# Altium PCB m-BLANC.PcbDoc (part 11 of 15) (continued)
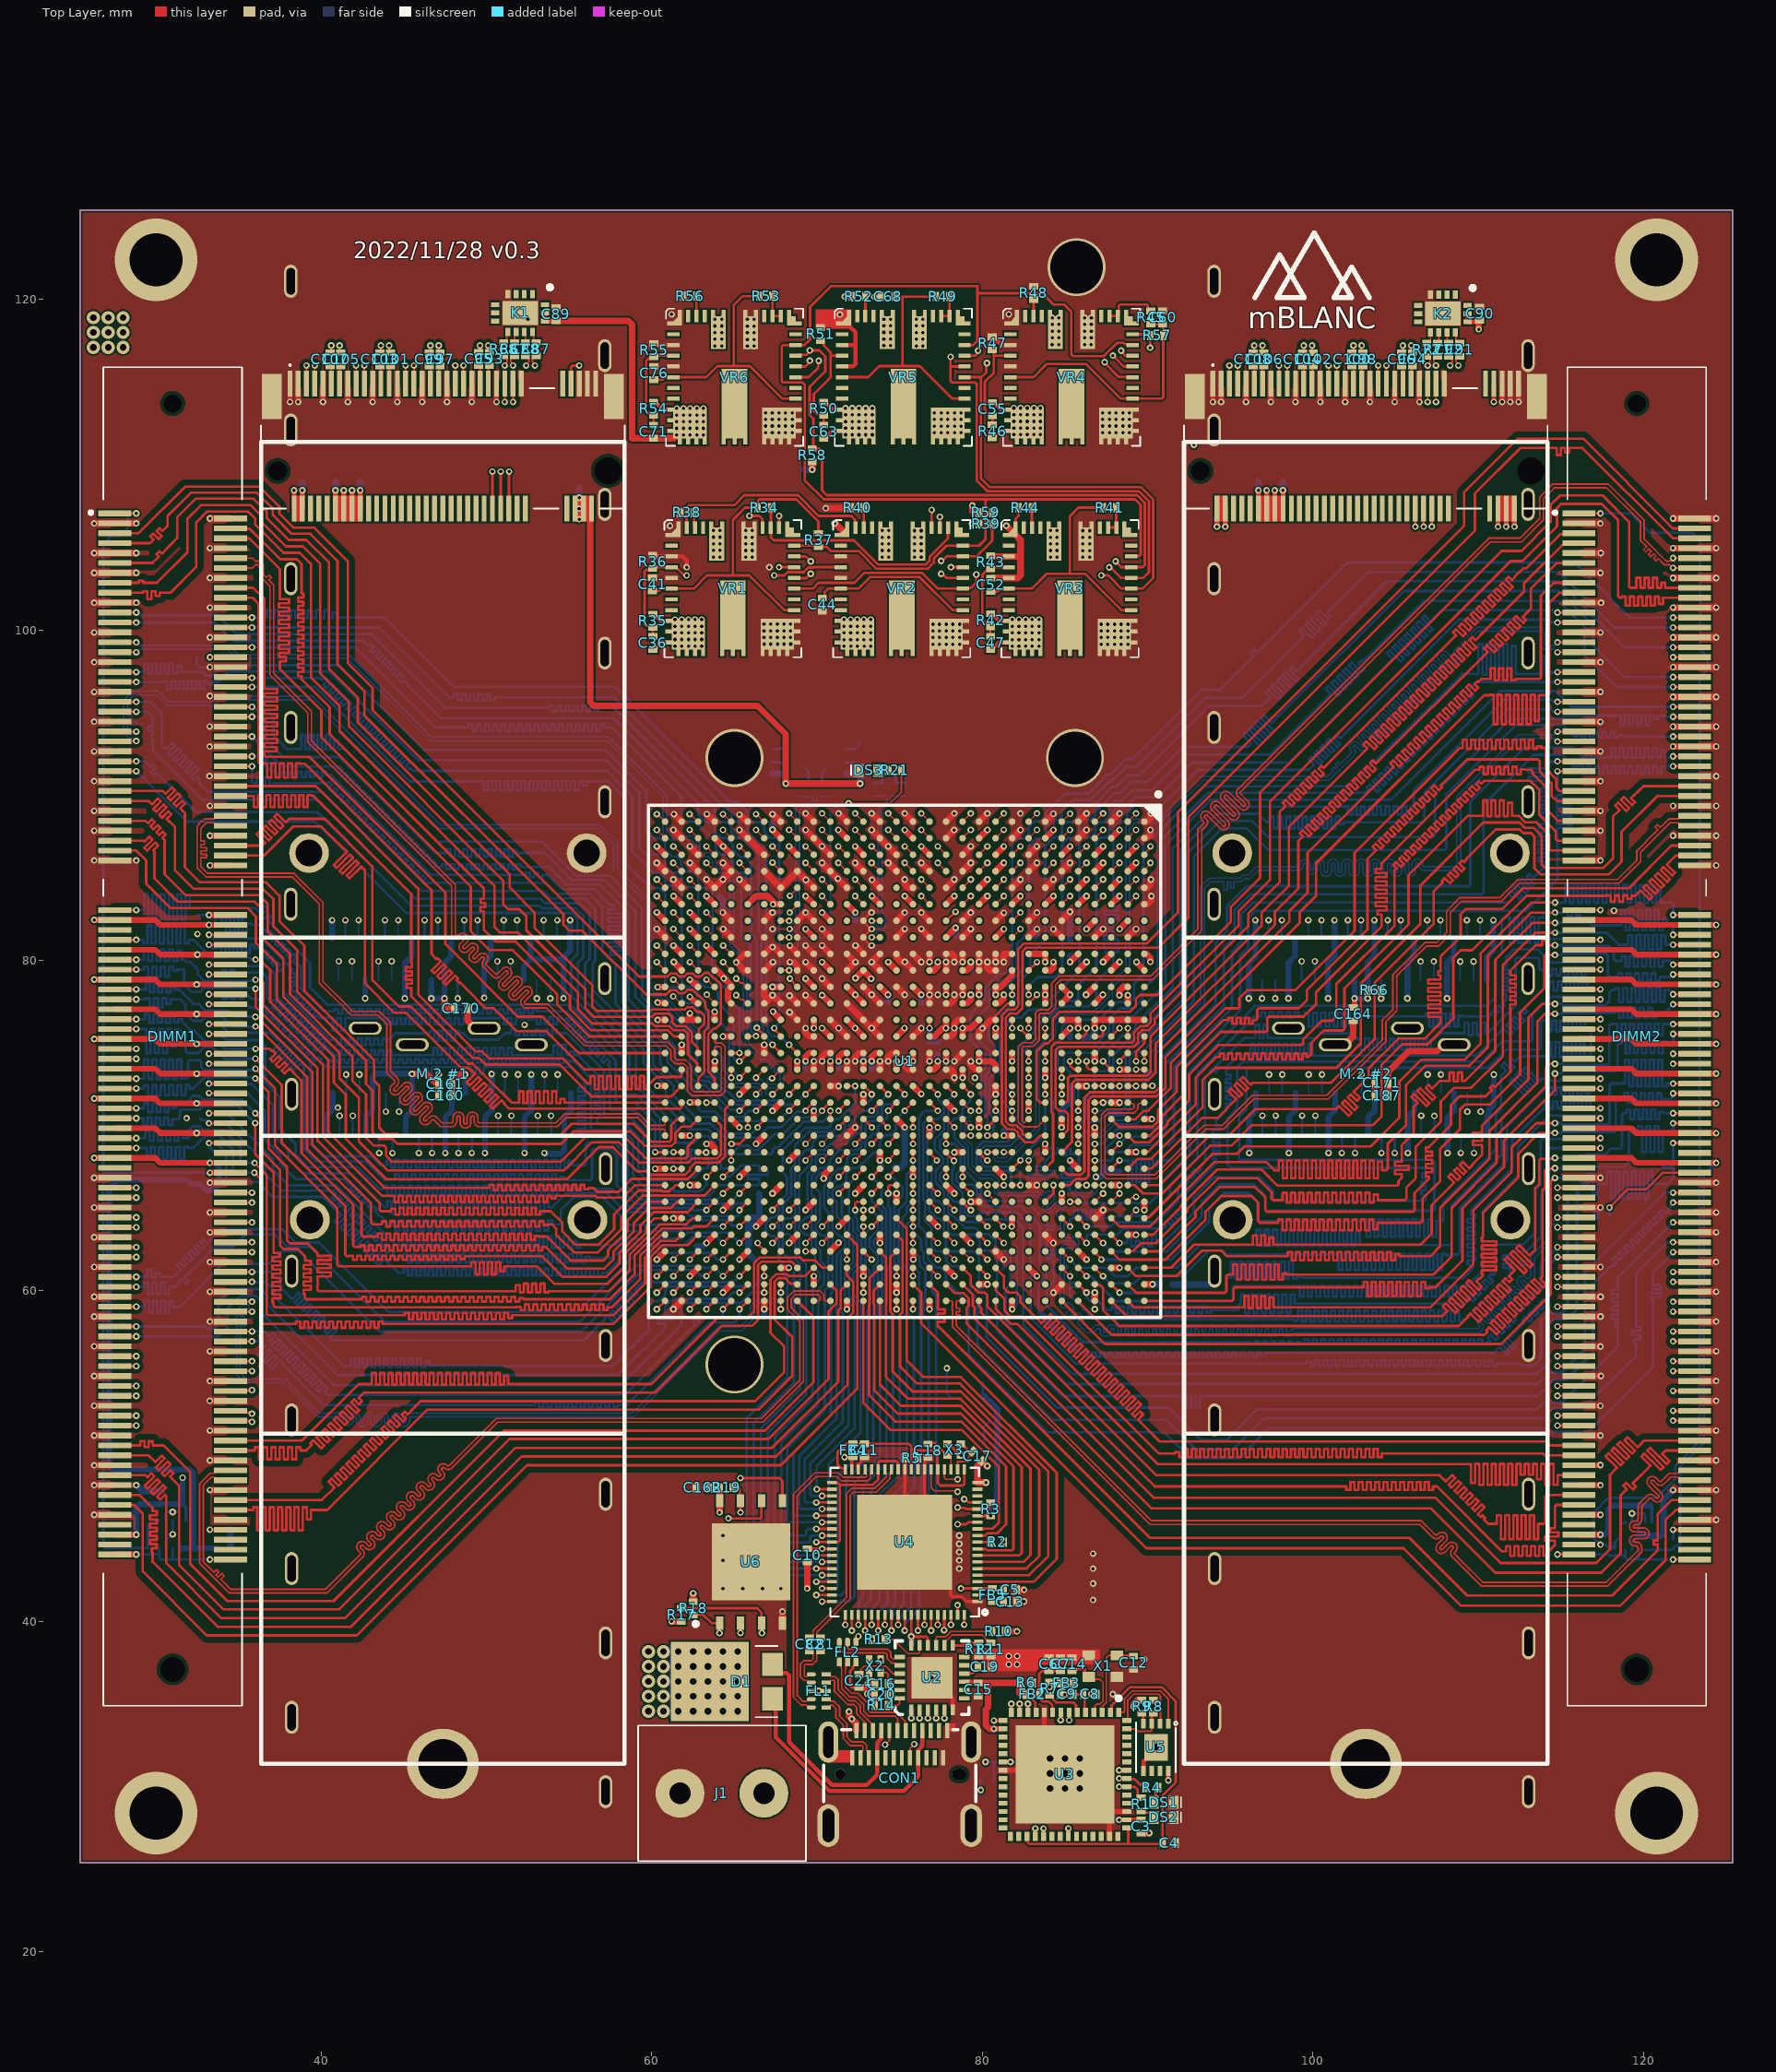
[diagram p0: Top Layer view]
## Nets (pads, with @x,y where several pads share a name; then routed paths per layer and width w, separated by ;. In a path a pad name is that pad's centre, name@x,y a point inside that pad or via, vN(x,y) a via of type N, cw(c..) or ccw(c..) an arc to the next point about the centre after c; other vN are vias at no path point) (continued)
PCIe1_RX0_N: "M.2 #1.41" U1.M5 | length 86.3
  Top Layer w0.1: 48.1,114.9 v1(48.1,116) ; U1.M5@78.8,84.4 v1(79.3,84.9)
  InLayer2 (Signal) w0.1: v1(48.1,116) 48.1,116.081 48.214,116.195 48.214,116.467 48.43,116.684 49.039,116.684 49.23,116.493 49.23,114.533 48.119,113.422 48.119,112.817 48.119,112.332 cw(c47.794,112.332) 47.794,112.007 47.633,112.007 ccw(c47.633,111.907) 47.533,111.907 ccw(c47.633,111.907) 47.633,111.807 47.811,111.807 cw(c47.811,111.482) 48.136,111.482 cw(c47.811,111.482) 47.811,111.157 46.993,111.157 ccw(c46.993,111.057) 46.893,111.057 ccw(c46.993,111.057) 46.993,110.957 47.811,110.957 cw(c47.811,110.632) 48.136,110.632 cw(c47.811,110.632) 47.811,110.307 46.993,110.307 ccw(c46.993,110.207) 46.893,110.207 ccw(c46.993,110.207) 46.993,110.107 47.811,110.107 cw(c47.811,109.782) 48.136,109.782 cw(c47.811,109.782) 47.811,109.457 46.993,109.457 ccw(c46.993,109.357) 46.893,109.357 ccw(c46.993,109.357) 46.993,109.257 47.811,109.257 cw(c47.811,108.932) 48.136,108.932 cw(c47.811,108.932) 47.811,108.607 46.993,108.607 ccw(c46.993,108.507) 46.893,108.507 ccw(c46.993,108.507) 46.993,108.407 47.811,108.407 cw(c47.811,108.082) 48.136,108.082 cw(c47.811,108.082) 47.811,107.757 46.993,107.757 ccw(c46.993,107.657) 46.893,107.657 ccw(c46.993,107.657) 46.993,107.557 47.811,107.557 cw(c47.811,107.232) 48.136,107.232 cw(c47.811,107.232) 47.811,106.907 46.993,106.907 ccw(c46.993,106.807) 46.893,106.807 ccw(c46.993,106.807) 46.993,106.707 47.811,106.707 cw(c47.811,106.382) 48.136,106.382 cw(c47.811,106.382) 47.811,106.057 46.993,106.057 ccw(c46.993,105.957) 46.893,105.957 ccw(c46.993,105.957) 46.993,105.857 47.811,105.857 cw(c47.811,105.532) 48.136,105.532 cw(c47.811,105.532) 47.811,105.207 46.993,105.207 ccw(c46.993,105.107) 46.893,105.107 ccw(c46.993,105.107) 46.993,105.007 47.811,105.007 cw(c47.811,104.682) 48.136,104.682 cw(c47.811,104.682) 47.811,104.357 46.993,104.357 ccw(c46.993,104.257) 46.893,104.257 ccw(c46.993,104.257) 46.993,104.157 47.811,104.157 cw(c47.811,103.832) 48.136,103.832 cw(c47.811,103.832) 47.811,103.507 46.993,103.507 ccw(c46.993,103.407) 46.893,103.407 ccw(c46.993,103.407) 46.993,103.307 47.811,103.307 cw(c47.811,102.982) 48.136,102.982 cw(c47.811,102.982) 47.811,102.657 46.993,102.657 ccw(c46.993,102.557) 46.893,102.557 ccw(c46.993,102.557) 46.993,102.457 47.811,102.457 cw(c47.811,102.132) 48.136,102.132 cw(c47.811,102.132) 47.811,101.807 46.993,101.807 ccw(c46.993,101.707) 46.893,101.707 ccw(c46.993,101.707) 46.993,101.607 47.794,101.607 cw(c47.794,101.282) 48.119,101.282 48.119,101.12 48.119,100.881 50.243,98.757 50.334,98.666 50.484,98.816 50.625,98.675 50.475,98.525 50.617,98.383 50.652,98.348 54.512,94.488 72.163,94.488 77.525,89.125 77.525,88.579 77.9,88.204 77.9,87.792 78.325,87.367 78.325,85.699 78.875,85.149 78.875,84.796 79.159,84.513 79.241,84.513 79.3,84.571 v1(79.3,84.9)
PCIe1_RX0_P: "M.2 #1.43" U1.M6 | length 85.5
  Top Layer w0.1: 48.6,114.9 v1(48.6,116) ; U1.M6@78.8,83.4 v1(79.3,83.9)
  InLayer2 (Signal) w0.1: v1(48.6,116) 48.6,116.071 48.439,116.233 48.439,116.374 48.523,116.459 48.946,116.459 49.005,116.4 49.005,114.626 47.894,113.515 47.894,112.817 47.894,112.332 cw(c47.794,112.332) 47.794,112.232 47.633,112.232 ccw(c47.633,111.907) 47.308,111.907 ccw(c47.633,111.907) 47.633,111.582 47.811,111.582 cw(c47.811,111.482) 47.911,111.482 cw(c47.811,111.482) 47.811,111.382 46.993,111.382 ccw(c46.993,111.057) 46.668,111.057 ccw(c46.993,111.057) 46.993,110.732 47.811,110.732 cw(c47.811,110.632) 47.911,110.632 cw(c47.811,110.632) 47.811,110.532 46.993,110.532 ccw(c46.993,110.207) 46.668,110.207 ccw(c46.993,110.207) 46.993,109.882 47.811,109.882 cw(c47.811,109.782) 47.911,109.782 cw(c47.811,109.782) 47.811,109.682 46.993,109.682 ccw(c46.993,109.357) 46.668,109.357 ccw(c46.993,109.357) 46.993,109.032 47.811,109.032 cw(c47.811,108.932) 47.911,108.932 cw(c47.811,108.932) 47.811,108.832 46.993,108.832 ccw(c46.993,108.507) 46.668,108.507 ccw(c46.993,108.507) 46.993,108.182 47.811,108.182 cw(c47.811,108.082) 47.911,108.082 cw(c47.811,108.082) 47.811,107.982 46.993,107.982 ccw(c46.993,107.657) 46.668,107.657 ccw(c46.993,107.657) 46.993,107.332 47.811,107.332 cw(c47.811,107.232) 47.911,107.232 cw(c47.811,107.232) 47.811,107.132 46.993,107.132 ccw(c46.993,106.807) 46.668,106.807 ccw(c46.993,106.807) 46.993,106.482 47.811,106.482 cw(c47.811,106.382) 47.911,106.382 cw(c47.811,106.382) 47.811,106.282 46.993,106.282 ccw(c46.993,105.957) 46.668,105.957 ccw(c46.993,105.957) 46.993,105.632 47.811,105.632 cw(c47.811,105.532) 47.911,105.532 cw(c47.811,105.532) 47.811,105.432 46.993,105.432 ccw(c46.993,105.107) 46.668,105.107 ccw(c46.993,105.107) 46.993,104.782 47.811,104.782 cw(c47.811,104.682) 47.911,104.682 cw(c47.811,104.682) 47.811,104.582 46.993,104.582 ccw(c46.993,104.257) 46.668,104.257 ccw(c46.993,104.257) 46.993,103.932 47.811,103.932 cw(c47.811,103.832) 47.911,103.832 cw(c47.811,103.832) 47.811,103.732 46.993,103.732 ccw(c46.993,103.407) 46.668,103.407 ccw(c46.993,103.407) 46.993,103.082 47.811,103.082 cw(c47.811,102.982) 47.911,102.982 cw(c47.811,102.982) 47.811,102.882 46.993,102.882 ccw(c46.993,102.557) 46.668,102.557 ccw(c46.993,102.557) 46.993,102.232 47.811,102.232 cw(c47.811,102.132) 47.911,102.132 cw(c47.811,102.132) 47.811,102.032 46.993,102.032 ccw(c46.993,101.707) 46.668,101.707 ccw(c46.993,101.707) 46.993,101.382 47.794,101.382 cw(c47.794,101.282) 47.894,101.282 47.894,101.12 47.894,100.788 51.937,96.745 54.419,94.263 72.069,94.263 77.3,89.032 77.3,88.486 77.543,88.243 77.675,88.111 77.675,87.699 78.1,87.274 78.1,85.606 78.65,85.056 78.65,84.703 79.065,84.288 79.241,84.288 79.3,84.229 v1(79.3,83.9)
PCIe1_RX1_N: "M.2 #1.29" U1.L3 | length 82.8
  Top Layer w0.1: 45.1,114.9 v1(45.1,116) ; U1.L3@79.8,86.4 v1(80.3,86.9)
  InLayer2 (Signal) w0.1: v1(45.1,116) 45.1,116.071 45.237,116.209 45.237,116.406 45.428,116.596 45.697,116.596 46.264,116.596 cw(c46.264,116.271) 46.589,116.271 46.589,115.66 ccw(c46.689,115.66) 46.689,115.56 ccw(c46.689,115.66) 46.789,115.66 46.789,116.271 cw(c47.114,116.271) 47.114,116.596 47.276,116.596 47.416,116.596 48.05,117.231 48.05,119.018 48.979,119.946 52.516,119.946 53.05,119.412 53.837,118.625 53.921,118.541 54.455,118.007 54.455,117.906 54.455,117.79 54.513,117.732 54.688,117.732 54.82,117.6 54.82,117.213 54.688,117.082 54.455,117.082 54.455,116.882 54.688,116.882 54.82,116.75 54.82,116.363 54.688,116.232 54.455,116.232 54.455,116.032 54.688,116.032 54.82,115.9 54.82,115.513 54.688,115.382 54.455,115.382 54.455,115.182 54.688,115.182 54.82,115.05 54.82,114.663 54.688,114.532 54.455,114.532 54.455,114.332 54.688,114.332 54.82,114.2 54.82,113.813 54.688,113.682 54.455,113.682 54.455,113.482 54.688,113.482 54.82,113.35 54.82,112.963 54.688,112.832 54.455,112.832 54.455,112.632 54.688,112.632 54.82,112.5 54.82,112.113 54.688,111.982 54.455,111.982 54.455,111.782 54.688,111.782 54.82,111.65 54.82,111.263 54.688,111.132 54.455,111.132 54.455,110.932 54.688,110.932 54.82,110.8 54.82,110.413 54.688,110.282 54.455,110.282 54.455,110.082 54.688,110.082 54.82,109.95 54.82,109.563 54.688,109.432 54.455,109.432 54.455,109.232 54.688,109.232 54.82,109.1 54.82,108.713 54.688,108.582 54.455,108.582 54.455,108.382 54.688,108.382 54.82,108.25 54.82,107.863 54.688,107.732 54.455,107.732 54.455,107.532 54.688,107.532 54.82,107.4 54.82,107.013 54.688,106.882 54.455,106.882 54.455,106.682 54.688,106.682 54.82,106.55 54.82,106.163 54.688,106.032 54.455,106.032 54.455,105.832 54.688,105.832 54.82,105.7 54.82,105.313 54.688,105.182 54.455,105.182 54.455,104.982 54.688,104.982 54.82,104.85 54.82,104.463 54.688,104.332 54.455,104.332 54.455,104.132 54.688,104.132 54.82,104 54.82,103.613 54.688,103.482 54.455,103.482 54.455,103.282 54.688,103.282 54.82,103.15 54.82,102.763 54.688,102.632 54.455,102.632 54.455,102.432 54.688,102.432 54.82,102.3 54.82,101.913 54.688,101.782 54.455,101.782 54.455,101.582 54.688,101.582 54.82,101.45 54.82,101.063 54.688,100.932 54.455,100.932 54.455,100.732 54.688,100.732 54.82,100.6 54.82,100.213 54.688,100.082 54.363,100.082 54.363,99.882 54.688,99.882 54.82,99.75 54.82,99.363 54.688,99.232 54.363,99.232 54.363,99.032 54.522,99.032 54.654,98.9 54.654,98.513 54.522,98.382 54.513,98.382 54.455,98.323 54.455,97.575 54.455,97.567 56.049,95.973 73.784,95.973 79.9,89.856 79.9,86.658 80.046,86.513 80.241,86.513 80.3,86.571 v1(80.3,86.9)
PCIe1_RX1_P: "M.2 #1.31" U1.L4 | length 82.8
  Top Layer w0.1: 45.6,114.9 v1(45.6,116) ; U1.L4@79.8,85.4 v1(80.3,85.9)
  InLayer2 (Signal) w0.1: v1(45.6,116) 45.6,116.071 45.462,116.209 45.462,116.313 45.521,116.371 45.697,116.371 46.264,116.371 cw(c46.264,116.271) 46.364,116.271 46.364,115.66 ccw(c46.689,115.66) 46.689,115.335 ccw(c46.689,115.66) 47.014,115.66 47.014,116.271 cw(c47.114,116.271) 47.114,116.371 47.276,116.371 47.509,116.371 48.275,117.137 48.275,118.924 49.072,119.721 52.423,119.721 52.822,119.322 52.999,119.145 52.869,119.015 53.01,118.874 53.14,119.004 53.55,118.594 53.678,118.466 ; 53.679,118.465 54.23,117.914 54.23,117.906 54.23,117.697 54.42,117.507 54.595,117.507 54.595,117.307 54.362,117.307 54.23,117.175 54.23,116.788 54.362,116.657 54.595,116.657 54.595,116.457 54.362,116.457 54.23,116.325 54.23,115.938 54.362,115.807 54.595,115.807 54.595,115.607 54.362,115.607 54.23,115.475 54.23,115.088 54.362,114.957 54.595,114.957 54.595,114.757 54.362,114.757 54.23,114.625 54.23,114.238 54.362,114.107 54.595,114.107 54.595,113.907 54.362,113.907 54.23,113.775 54.23,113.388 54.362,113.257 54.595,113.257 54.595,113.057 54.362,113.057 54.23,112.925 54.23,112.538 54.362,112.407 54.595,112.407 54.595,112.207 54.362,112.207 54.23,112.075 54.23,111.688 54.362,111.557 54.595,111.557 54.595,111.357 54.362,111.357 54.23,111.225 54.23,110.838 54.362,110.707 54.595,110.707 54.595,110.507 54.362,110.507 54.23,110.375 54.23,109.988 54.362,109.857 54.595,109.857 54.595,109.657 54.362,109.657 54.23,109.525 54.23,109.138 54.362,109.007 54.595,109.007 54.595,108.807 54.362,108.807 54.23,108.675 54.23,108.288 54.362,108.157 54.595,108.157 54.595,107.957 54.362,107.957 54.23,107.825 54.23,107.438 54.362,107.307 54.595,107.307 54.595,107.107 54.362,107.107 54.23,106.975 54.23,106.588 54.362,106.457 54.595,106.457 54.595,106.257 54.362,106.257 54.23,106.125 54.23,105.738 54.362,105.607 54.595,105.607 54.595,105.407 54.362,105.407 54.23,105.275 54.23,104.888 54.362,104.757 54.595,104.757 54.595,104.557 54.362,104.557 54.23,104.425 54.23,104.038 54.362,103.907 54.595,103.907 54.595,103.707 54.362,103.707 54.23,103.575 54.23,103.188 54.362,103.057 54.595,103.057 54.595,102.857 54.362,102.857 54.23,102.725 54.23,102.338 54.362,102.207 54.595,102.207 54.595,102.007 54.362,102.007 54.23,101.875 54.23,101.488 54.362,101.357 54.595,101.357 54.595,101.157 54.362,101.157 54.23,101.025 54.23,100.638 54.362,100.507 54.595,100.507 54.595,100.307 54.269,100.307 54.138,100.175 54.138,99.788 54.269,99.657 54.595,99.657 54.595,99.457 54.269,99.457 54.138,99.325 54.138,98.938 54.269,98.807 54.429,98.807 54.429,98.607 54.42,98.607 54.23,98.416 54.23,97.575 54.23,97.474 55.956,95.748 73.69,95.748 79.675,89.763 79.675,86.565 79.953,86.288 80.241,86.288 80.3,86.229 v1(80.3,85.9)
PCIe1_RX2_N: "M.2 #1.17" U1.K5 | length 84.9
  Top Layer w0.1: 42.1,114.9 v1(42.1,116) ; U1.K5@80.8,84.4 v1(81.3,84.9)
  InLayer2 (Signal) w0.1: v1(42.1,116) 42.1,116.071 42.237,116.209 42.237,116.391 42.428,116.581 44.368,116.581 45.327,117.54 45.327,118.035 45.327,118.198 ccw(c45.227,118.198) 45.227,118.298 ; 45.227,118.298 cw(c45.227,118.623) 44.902,118.623 cw(c45.227,118.623) 45.227,118.948 ; 45.227,118.948 ccw(c45.227,119.048) 45.327,119.048 45.327,119.566 45.327,120.445 46.581,121.7 53.31,121.7 56.216,118.794 56.216,115.355 56.216,115.192 ccw(c56.316,115.192) 56.316,115.092 56.674,115.092 cw(c56.674,114.767) 56.674,114.442 56.268,114.442 ccw(c56.268,114.342) 56.268,114.242 56.674,114.242 cw(c56.674,113.917) 56.674,113.592 56.268,113.592 ccw(c56.268,113.492) 56.268,113.392 56.674,113.392 cw(c56.674,113.067) 56.674,112.742 56.268,112.742 ccw(c56.268,112.642) 56.268,112.542 56.674,112.542 cw(c56.674,112.217) 56.674,111.892 56.268,111.892 ccw(c56.268,111.792) 56.268,111.692 56.674,111.692 cw(c56.674,111.367) 56.674,111.042 56.316,111.042 ccw(c56.316,110.942) 56.216,110.942 56.216,110.106 56.216,97.678 56.857,97.037 74.713,97.037 81.925,89.825 81.925,87.726 81.474,87.275 81,87.275 80.9,87.175 80.9,84.771 81.159,84.513 81.241,84.513 81.3,84.571 v1(81.3,84.9)
PCIe1_RX2_P: "M.2 #1.19" U1.K6 | length 84.9
  Top Layer w0.1: 42.6,114.9 v1(42.6,116) ; U1.K6@80.8,83.4 v1(81.3,83.9)
  InLayer2 (Signal) w0.1: v1(42.6,116) 42.6,116.071 42.463,116.209 42.463,116.298 42.521,116.356 44.461,116.356 45.552,117.447 45.552,118.035 45.552,118.198 ccw(c45.227,118.198) 45.227,118.523 ; 45.227,118.523 cw(c45.227,118.623) 45.127,118.623 cw(c45.227,118.623) 45.227,118.723 ; 45.227,118.723 ccw(c45.227,119.048) 45.552,119.048 45.552,119.566 45.552,120.352 46.674,121.475 53.216,121.475 53.99,120.701 54.208,120.483 54.084,120.36 54.226,120.218 54.35,120.342 54.385,120.307 55.991,118.701 55.991,115.355 55.991,115.192 ccw(c56.316,115.192) 56.316,114.867 56.674,114.867 cw(c56.674,114.767) 56.674,114.667 56.268,114.667 ccw(c56.268,114.342) 56.268,114.017 56.674,114.017 cw(c56.674,113.917) 56.674,113.817 56.268,113.817 ccw(c56.268,113.492) 56.268,113.167 56.674,113.167 cw(c56.674,113.067) 56.674,112.967 56.268,112.967 ccw(c56.268,112.642) 56.268,112.317 56.674,112.317 cw(c56.674,112.217) 56.674,112.117 56.268,112.117 ccw(c56.268,111.792) 56.268,111.467 56.674,111.467 cw(c56.674,111.367) 56.674,111.267 56.316,111.267 ccw(c56.316,110.942) 55.991,110.942 55.991,110.106 55.991,105.6 55.991,100.802 55.991,97.585 56.764,96.812 74.62,96.812 81.7,89.732 81.7,87.819 81.381,87.5 80.907,87.5 80.675,87.268 80.675,84.678 81.065,84.288 81.241,84.288 81.3,84.229 v1(81.3,83.9)
PCIe1_RX3_N: "M.2 #1.5" U1.J3 | length 82.3
  Top Layer w0.1: 39.1,114.9 v1(39.1,116) ; U1.J3@81.8,86.4 v1(82.3,86.9)
  InLayer2 (Signal) w0.1: v1(39.1,116) 39.1,116.071 39.237,116.209 39.237,116.385 39.428,116.576 41.062,116.576 42.123,117.636 42.123,121.029 44.334,123.241 54.515,123.241 59.561,118.195 59.561,99.018 60.466,98.113 75.466,98.113 83.925,89.654 83.925,87.632 83.593,87.3 82.192,87.3 81.9,87.008 81.9,86.72 82.107,86.513 82.241,86.513 82.3,86.571 v1(82.3,86.9)
PCIe1_RX3_P: "M.2 #1.7" U1.J4 | length 82.3
  Top Layer w0.1: 39.6,114.9 v1(39.6,116) ; U1.J4@81.8,85.4 v1(82.3,85.9)
  InLayer2 (Signal) w0.1: v1(39.6,116) 39.6,116.071 39.463,116.209 39.463,116.292 39.521,116.351 41.155,116.351 42.348,117.543 42.348,120.936 44.428,123.016 54.422,123.016 55.119,122.319 55.296,122.142 55.189,122.035 55.33,121.894 55.437,122.001 55.719,121.719 59.336,118.102 59.336,98.925 60.373,97.888 75.373,97.888 83.7,89.561 83.7,87.725 83.5,87.525 82.099,87.525 81.675,87.101 81.675,86.627 82.014,86.288 82.241,86.288 82.3,86.229 v1(82.3,85.9)
PCIe1_TX0_N: C95.1 U1.M1 | length 81.6
  Top Layer w0.1: C95.1@49.52,116.793 49.596,116.87 v1(49.596,117.21) ; U1.M1@78.8,88.4 v1(79.3,88.9)
  InLayer2 (Signal) w0.1: v1(49.596,117.21) 49.596,117.281 49.734,117.418 49.734,117.653 50.224,118.143 50.295,118.143 50.457,118.143 ccw(c50.457,118.243) 50.557,118.243 50.557,119.044 cw(c50.882,119.044) 51.207,119.044 51.207,116.877 ccw(c51.307,116.877) 51.407,116.877 51.407,119.044 cw(c51.732,119.044) 52.057,119.044 52.057,117.021 ccw(c52.157,117.021) 52.257,117.021 52.257,117.818 cw(c52.582,117.818) 52.582,118.143 52.934,118.143 53.039,118.038 53.515,117.562 53.515,117.491 53.515,117.483 53.521,117.477 53.521,117.328 ccw(c53.621,117.328) 53.621,117.228 53.705,117.228 cw(c53.705,116.903) 53.705,116.578 53.523,116.578 ccw(c53.523,116.478) 53.523,116.378 53.705,116.378 cw(c53.705,116.053) 53.705,115.728 53.597,115.728 ccw(c53.597,115.628) 53.597,115.528 53.705,115.528 cw(c53.705,115.203) 53.705,114.878 53.396,114.878 ccw(c53.396,114.778) 53.396,114.678 53.705,114.678 cw(c53.705,114.353) 53.705,114.028 53.611,114.028 ccw(c53.611,113.928) 53.611,113.828 53.705,113.828 cw(c53.705,113.503) 53.705,113.178 53.611,113.178 ccw(c53.611,113.078) 53.611,112.978 53.705,112.978 cw(c53.705,112.653) 53.705,112.328 53.61,112.328 ccw(c53.61,112.228) 53.61,112.128 53.705,112.128 cw(c53.705,111.803) 53.705,111.478 53.61,111.478 ccw(c53.61,111.378) 53.61,111.278 53.705,111.278 cw(c53.705,110.953) 53.705,110.628 53.61,110.628 ccw(c53.61,110.528) 53.61,110.428 53.705,110.428 cw(c53.705,110.103) 53.705,109.778 53.609,109.778 ccw(c53.609,109.678) 53.609,109.578 53.705,109.578 cw(c53.705,109.253) 53.705,108.928 53.609,108.928 ccw(c53.609,108.828) 53.609,108.728 53.705,108.728 cw(c53.705,108.403) 53.705,108.078 53.609,108.078 ccw(c53.609,107.978) 53.609,107.878 53.705,107.878 cw(c53.705,107.553) 53.705,107.228 53.608,107.228 ccw(c53.608,107.128) 53.608,107.028 53.705,107.028 cw(c53.705,106.703) 53.705,106.378 53.608,106.378 ccw(c53.608,106.278) 53.608,106.178 53.705,106.178 cw(c53.705,105.853) 53.705,105.528 53.608,105.528 ccw(c53.608,105.428) 53.608,105.328 53.705,105.328 cw(c53.705,105.003) 53.705,104.678 53.608,104.678 ccw(c53.608,104.578) 53.608,104.478 53.705,104.478 cw(c53.705,104.153) 53.705,103.828 53.609,103.828 ccw(c53.609,103.728) 53.609,103.628 53.705,103.628 cw(c53.705,103.303) 53.705,102.978 53.609,102.978 ccw(c53.609,102.878) 53.609,102.778 53.705,102.778 cw(c53.705,102.453) 53.705,102.128 53.61,102.128 ccw(c53.61,102.028) 53.61,101.928 53.705,101.928 cw(c53.705,101.603) 53.705,101.278 53.61,101.278 ccw(c53.61,101.178) 53.61,101.078 53.705,101.078 cw(c53.705,100.753) 53.705,100.428 53.611,100.428 ccw(c53.611,100.328) 53.611,100.228 ; 53.613,100.228 cw(c53.613,99.903) 53.613,99.578 ccw(c53.612,99.478) 53.612,99.378 cw(c53.613,99.053) 53.613,98.728 53.408,98.728 ccw(c53.408,98.628) 53.408,98.528 53.621,98.528 cw(c53.621,98.203) 53.621,97.878 ccw(c53.621,97.778) 53.521,97.778 53.521,97.579 53.709,97.39 55.63,95.47 73.324,95.47 78.9,89.893 78.9,88.735 79.123,88.513 79.241,88.513 79.3,88.571 v1(79.3,88.9)
PCIe1_TX0_P: C93.1 U1.M2 | length 81.6
  Top Layer w0.1: v1(50.096,117.21) 50.096,116.867 C93.1@50.17,116.793 ; U1.M2@78.8,87.4 v1(79.3,87.9)
  InLayer2 (Signal) w0.1: v1(50.096,117.21) 50.096,117.281 49.959,117.418 49.959,117.56 50.295,117.896 50.317,117.918 50.457,117.918 ccw(c50.457,118.243) 50.782,118.243 50.782,119.044 cw(c50.882,119.044) 50.982,119.044 50.982,116.877 ccw(c51.307,116.877) 51.632,116.877 51.632,119.044 cw(c51.732,119.044) 51.832,119.044 51.832,117.021 ccw(c52.157,117.021) 52.482,117.021 52.482,117.818 cw(c52.582,117.818) 52.582,117.918 52.841,117.918 53.039,117.72 53.269,117.491 53.29,117.469 53.29,117.39 53.296,117.384 53.296,117.328 ccw(c53.621,117.328) 53.621,117.003 53.705,117.003 cw(c53.705,116.903) 53.705,116.803 53.523,116.803 ccw(c53.523,116.478) 53.523,116.153 53.705,116.153 cw(c53.705,116.053) 53.705,115.953 53.597,115.953 ccw(c53.597,115.628) 53.597,115.303 53.705,115.303 cw(c53.705,115.203) 53.705,115.103 53.396,115.103 ccw(c53.396,114.778) 53.396,114.453 53.705,114.453 cw(c53.705,114.353) 53.705,114.253 53.611,114.253 ccw(c53.611,113.928) 53.611,113.603 53.705,113.603 cw(c53.705,113.503) 53.705,113.403 53.611,113.403 ccw(c53.611,113.078) 53.611,112.753 53.705,112.753 cw(c53.705,112.653) 53.705,112.553 53.61,112.553 ccw(c53.61,112.228) 53.61,111.903 53.705,111.903 cw(c53.705,111.803) 53.705,111.703 53.61,111.703 ccw(c53.61,111.378) 53.61,111.053 53.705,111.053 cw(c53.705,110.953) 53.705,110.853 53.61,110.853 ccw(c53.61,110.528) 53.61,110.203 53.705,110.203 cw(c53.705,110.103) 53.705,110.003 53.609,110.003 ccw(c53.609,109.678) 53.609,109.353 53.705,109.353 cw(c53.705,109.253) 53.705,109.153 53.609,109.153 ccw(c53.609,108.828) 53.609,108.503 53.705,108.503 cw(c53.705,108.403) 53.705,108.303 53.609,108.303 ccw(c53.609,107.978) 53.609,107.653 53.705,107.653 cw(c53.705,107.553) 53.705,107.453 53.608,107.453 ccw(c53.608,107.128) 53.608,106.803 53.705,106.803 cw(c53.705,106.703) 53.705,106.603 53.608,106.603 ccw(c53.608,106.278) 53.608,105.953 53.705,105.953 cw(c53.705,105.853) 53.705,105.753 53.608,105.753 ccw(c53.608,105.428) 53.608,105.103 53.705,105.103 cw(c53.705,105.003) 53.705,104.903 53.608,104.903 ccw(c53.608,104.578) 53.608,104.253 53.705,104.253 cw(c53.705,104.153) 53.705,104.053 53.609,104.053 ccw(c53.609,103.728) 53.609,103.403 53.705,103.403 cw(c53.705,103.303) 53.705,103.203 53.609,103.203 ccw(c53.609,102.878) 53.609,102.553 53.705,102.553 cw(c53.705,102.453) 53.705,102.353 53.61,102.353 ccw(c53.61,102.028) 53.61,101.703 53.705,101.703 cw(c53.705,101.603) 53.705,101.503 53.61,101.503 ccw(c53.61,101.178) 53.61,100.853 53.705,100.853 cw(c53.705,100.753) 53.705,100.653 53.611,100.653 ccw(c53.611,100.328) 53.611,100.003 ; 53.613,100.003 cw(c53.613,99.903) 53.613,99.803 ccw(c53.612,99.478) 53.612,99.153 cw(c53.613,99.053) 53.613,98.953 53.408,98.953 ccw(c53.408,98.628) 53.408,98.303 53.621,98.303 cw(c53.621,98.203) 53.621,98.103 ccw(c53.621,97.778) 53.296,97.778 53.296,97.486 53.391,97.39 55.537,95.245 73.23,95.245 78.675,89.8 78.675,89.683 78.675,89.433 78.469,89.433 78.469,89.233 78.675,89.233 78.675,89.023 78.675,88.642 79.03,88.288 79.241,88.288 79.3,88.229 v1(79.3,87.9)
PCIe1_TX1_N: C99.1 U1.K1 | length 81.1
  Top Layer w0.1: C99.1@46.525,116.782 46.6,116.857 v1(46.6,117.21) ; U1.K1@80.8,88.4 v1(81.3,88.9)
  InLayer2 (Signal) w0.1: v1(46.6,117.21) 46.6,117.281 46.737,117.419 46.737,117.539 46.737,118.072 ccw(c46.637,118.072) 46.637,118.172 46.357,118.172 cw(c46.357,118.497) 46.032,118.497 cw(c46.357,118.497) 46.357,118.822 47.341,118.822 ccw(c47.341,118.922) 47.441,118.922 ccw(c47.341,118.922) 47.341,119.022 47.062,119.022 cw(c47.062,119.347) 46.737,119.347 46.737,119.51 46.737,119.756 47.091,120.109 47.126,120.144 46.985,120.286 47.126,120.427 47.268,120.286 47.617,120.635 47.824,120.842 52.772,120.842 55.245,118.369 55.245,115.793 55.245,115.63 ccw(c55.345,115.63) 55.345,115.53 55.466,115.53 cw(c55.466,115.205) 55.791,115.205 cw(c55.466,115.205) 55.466,114.88 55.345,114.88 ccw(c55.345,114.78) 55.245,114.78 ccw(c55.345,114.78) 55.345,114.68 55.418,114.68 cw(c55.418,114.355) 55.743,114.355 cw(c55.418,114.355) 55.418,114.03 55.345,114.03 ccw(c55.345,113.93) 55.245,113.93 ccw(c55.345,113.93) 55.345,113.83 55.418,113.83 cw(c55.418,113.505) 55.743,113.505 cw(c55.418,113.505) 55.418,113.18 55.345,113.18 ccw(c55.345,113.08) 55.245,113.08 ccw(c55.345,113.08) 55.345,112.98 55.418,112.98 cw(c55.418,112.655) 55.743,112.655 cw(c55.418,112.655) 55.418,112.33 55.345,112.33 ccw(c55.345,112.23) 55.245,112.23 ccw(c55.345,112.23) 55.345,112.13 55.418,112.13 cw(c55.418,111.805) 55.743,111.805 cw(c55.418,111.805) 55.418,111.48 55.345,111.48 ccw(c55.345,111.38) 55.245,111.38 ccw(c55.345,111.38) 55.345,111.28 55.466,111.28 cw(c55.466,110.955) 55.791,110.955 cw(c55.466,110.955) 55.466,110.63 55.345,110.63 ccw(c55.345,110.53) 55.245,110.53 ccw(c55.345,110.53) 55.345,110.43 55.466,110.43 cw(c55.466,110.105) 55.791,110.105 cw(c55.466,110.105) 55.466,109.78 55.345,109.78 ccw(c55.345,109.68) 55.245,109.68 ccw(c55.345,109.68) 55.345,109.58 55.466,109.58 cw(c55.466,109.255) 55.791,109.255 cw(c55.466,109.255) 55.466,108.93 55.345,108.93 ccw(c55.345,108.83) 55.245,108.83 55.245,107.851 55.245,106.488 55.245,106.325 ccw(c55.345,106.325) 55.345,106.225 55.466,106.225 cw(c55.466,105.9) 55.791,105.9 cw(c55.466,105.9) 55.466,105.575 55.345,105.575 ccw(c55.345,105.475) 55.245,105.475 ccw(c55.345,105.475) 55.345,105.375 55.466,105.375 cw(c55.466,105.05) 55.791,105.05 cw(c55.466,105.05) 55.466,104.725 55.345,104.725 ccw(c55.345,104.625) 55.245,104.625 ccw(c55.345,104.625) 55.345,104.525 55.466,104.525 cw(c55.466,104.2) 55.791,104.2 cw(c55.466,104.2) 55.466,103.875 55.345,103.875 ccw(c55.345,103.775) 55.245,103.775 ccw(c55.345,103.775) 55.345,103.675 55.466,103.675 cw(c55.466,103.35) 55.791,103.35 cw(c55.466,103.35) 55.466,103.025 55.345,103.025 ccw(c55.345,102.925) 55.245,102.925 ccw(c55.345,102.925) 55.345,102.825 55.466,102.825 cw(c55.466,102.5) 55.791,102.5 cw(c55.466,102.5) 55.466,102.175 55.345,102.175 ccw(c55.345,102.075) 55.245,102.075 ccw(c55.345,102.075) 55.345,101.975 55.466,101.975 cw(c55.466,101.65) 55.791,101.65 cw(c55.466,101.65) 55.466,101.325 55.345,101.325 ccw(c55.345,101.225) 55.245,101.225 ccw(c55.345,101.225) 55.345,101.125 55.466,101.125 cw(c55.466,100.8) 55.791,100.8 cw(c55.466,100.8) 55.466,100.475 55.345,100.475 ccw(c55.345,100.375) 55.245,100.375 ccw(c55.345,100.375) 55.345,100.275 55.466,100.275 cw(c55.466,99.95) 55.791,99.95 cw(c55.466,99.95) 55.466,99.625 55.345,99.625 ccw(c55.345,99.525) 55.245,99.525 ccw(c55.345,99.525) 55.345,99.425 55.466,99.425 cw(c55.466,99.1) 55.791,99.1 cw(c55.466,99.1) 55.466,98.775 55.179,98.775 ccw(c55.179,98.675) 55.079,98.675 ccw(c55.179,98.675) 55.179,98.575 55.466,98.575 cw(c55.466,98.25) 55.791,98.25 cw(c55.466,98.25) 55.466,97.925 55.345,97.925 ccw(c55.345,97.825) 55.245,97.825 55.245,97.698 55.563,97.38 55.772,97.171 56.438,96.506 74.29,96.506 80.9,89.896 80.9,88.571 80.959,88.513 81.241,88.513 81.3,88.571 v1(81.3,88.9)